# Altium PCB Ixora.PcbDoc (part 12 of 13)
Units mm, origin at the board's own origin, x right, y up, seen from the top; angles counter-clockwise.
Board outline 125 x 90 mm, 6 copper layers (Top Layer, GND, Mid-Layer 1, Mid-Layer 2, POWER, Bottom Layer), stack 1.561 mm thick; 454 components, 512 nets, 2071 pads, 863 vias.
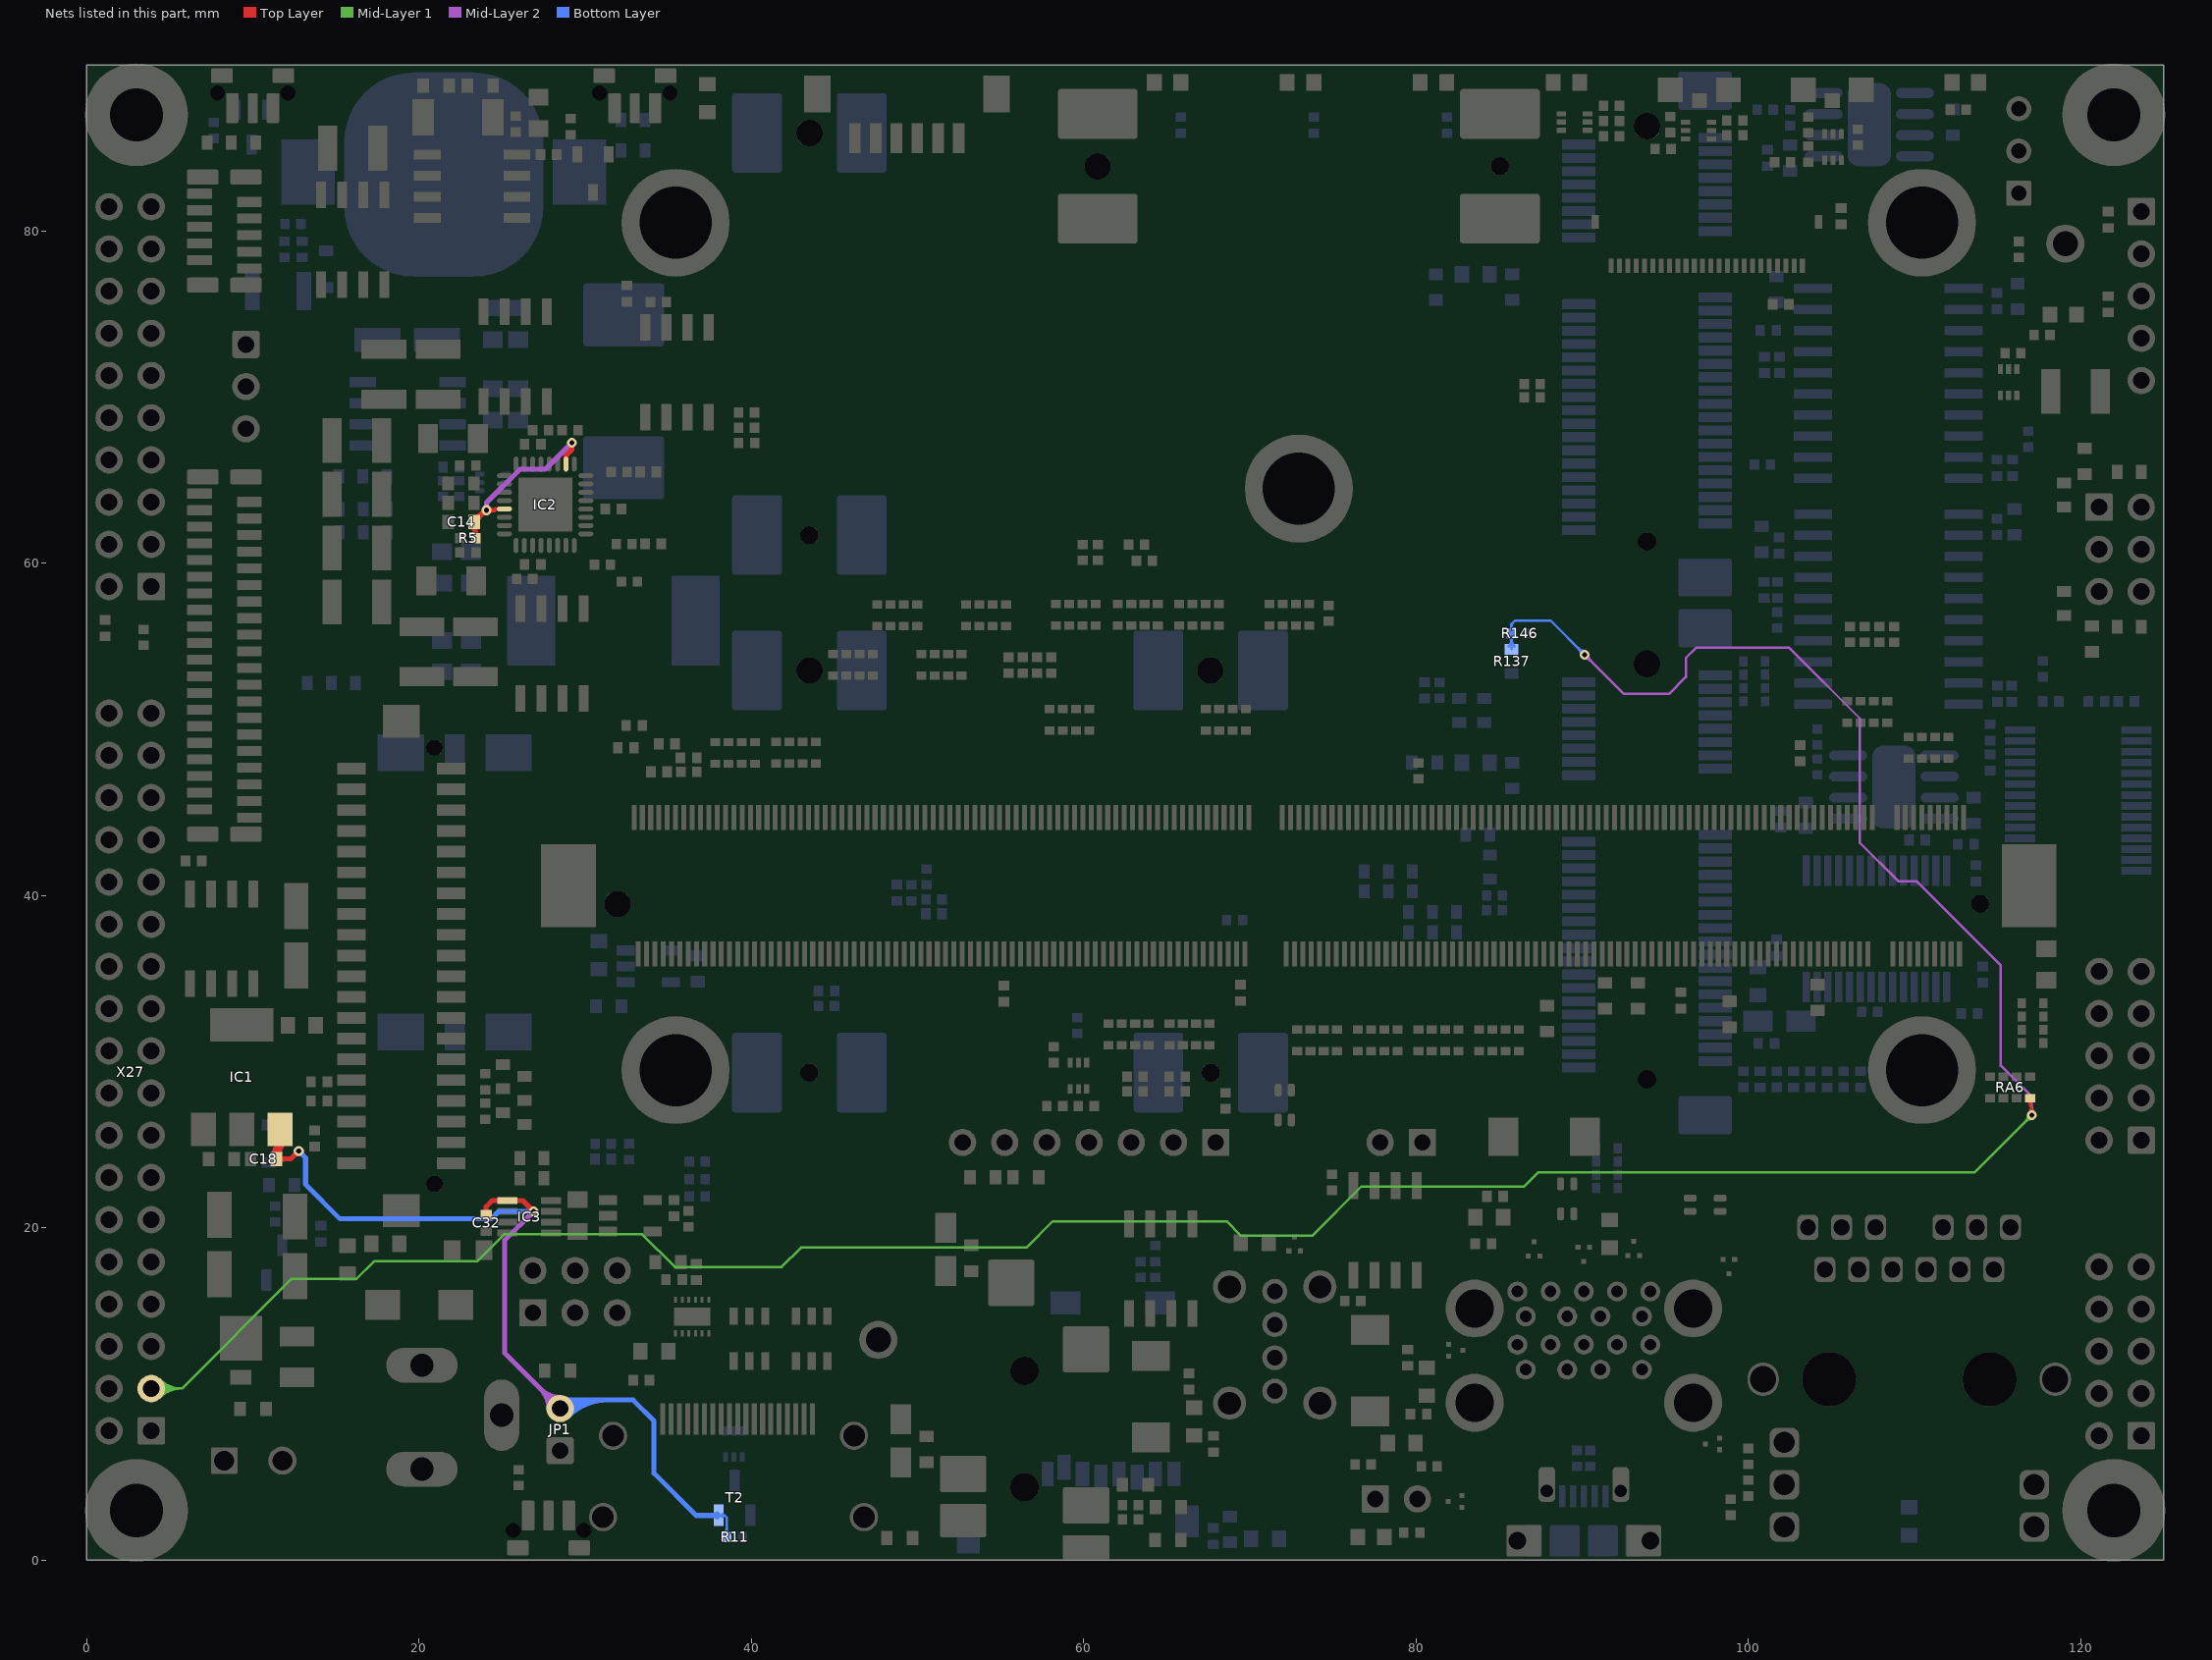
[diagram p16: the nets of this part, all layers, seen from the top]

## Via types
v1: diameter 0.6, hole 0.3, Top Layer to Bottom Layer, tented both sides, 852 vias
v2: diameter 0.6, hole 0.3, Top Layer to Bottom Layer, 11 vias

## Nets (pads, with @x,y where several pads share a name; then routed paths per layer and width w, separated by ;. In a path a pad name is that pad's centre, name@x,y a point inside that pad or via, vN(x,y) a via of type N, cw(c..) or ccw(c..) an arc to the next point about the centre after c; other vN are vias at no path point) (continued)
VREG5: C14.2 IC2.10 IC2.21 R5.2 | length 18.9
  Top Layer w0.25: C14.2@23.325,62.5 C14.2@23.325,62.55 ; C14.2@23.4,62.652 23.748,63 ; C14.2@23.543,62.518 cw(c24.345,62.306) v1@23.93,63.025 ; C14.2@23.559,62.811 cw(c24.076,62.294) v1@24.076,63.025 ; 23.706,62.958 cw(c23.325,63.338) C14.2@23.325,62.8 ; 23.711,62.963 ccw(c24.098,62.575) C14.2@23.55,62.575 ; v1@24,63.043 ccw(c23.904,62.844) 23.748,63 ; v1@24.001,63.042 ccw(c23.908,62.848) 23.756,63 ; v1@24.2,63.076 cw(c24.498,62.778) 24.498,63.2 cw(c24.498,63.623) v1@24.2,63.324 ; IC2.21@25.15,63.275 24.625,63.275 24.55,63.2 v1(24.076,63.2) 23.956,63.2 23.756,63 ; C14.2@23.325,62.8 ccw(c23.325,63.358) 23.72,62.964 cw(c23.325,63.358) C14.2@23.325,62.8 ; C14.2@23.55,62.575 cw(c24.078,62.575) 23.705,62.949 ccw(c24.078,62.575) C14.2@23.55,62.575 ; 23.748,63 23.756,63
  Top Layer w0.3: C14.2@23.184,62.284 cw(c22.661,61.761) R5.2@23.4,61.761 ; R5.2@23.4,61.415 C14.2@23.4,62.652 ; 23.4,61.923 ccw(c23.828,61.923) R5.2@23.525,61.62 ; IC2.10@28.85,65.975 28.85,66.493 29.21,66.853 v1(29.21,67.259)
  Mid-Layer 2 w0.3: v1@23.97,63.306 ccw(c23.714,63.562) 24.076,63.562 ccw(c24.438,63.562) v1@24.182,63.306 ; v1(24.076,63.2) 24.076,63.649 26.086,65.659 27.61,65.659 v1(29.21,67.259) ; v1@29.06,67.259 cw(c28.698,67.259) 28.954,67.003 cw(c29.21,66.747) v1@29.21,67.109
VSTB: C18.2 C32.2 IC1.3 IC3.1 JP1.2 R11.2 T2.2 | length 76.3
  Top Layer w0.3: C18.2@11.525,24.15 12.284,24.15 v1(12.771,24.637) ; C18.2@11.566,24.009 cw(c11.908,23.667) 11.908,24.15 cw(c11.908,24.633) C18.2@11.566,24.291 ; v1@12.621,24.637 cw(c12.258,24.637) 12.515,24.381 cw(c12.771,24.124) v1@12.771,24.487 ; C32.2@23.951,20.889 ccw(c23.712,21.128) 24.05,21.128 ccw(c24.388,21.128) C32.2@24.149,20.889 ; C32.2@24.05,20.79 24.05,21.28 24.415,21.645 IC3.1@25.335,21.645 26.255,21.645 v1(26.9,21) ; v1@26.75,21 ccw(c26.388,21) 26.644,21.256 ccw(c26.9,21.512) v1@26.9,21.15
  Top Layer w0.5: C18.2@11.354,24.296 ccw(c10.942,24.708) 11.525,24.708 ; C18.2@11.502,24.289 cw(c11.804,24.543) 11.525,24.821 ; C18.2@11.517,24.265 cw(c12.079,24.509) IC1.3@11.646,24.942 ; C18.2@11.525,24.15 11.525,24.821 ; IC1.3@11.646,25.924 IC1.3@11.646,24.942 ; 11.525,24.821 IC1.3@11.646,24.942
  Mid-Layer 2 w0.3: v1(26.9,21) 25.171,19.271 25.171,12.469 JP1.2@28.5,9.14 ; 27.348,10.292 ccw(c28.5,11.445) 28.5,9.815 cw(c28.5,11.445) 27.348,10.292 ; 27.348,10.292 cw(c26.195,9.14) 27.825,9.14 ccw(c26.195,9.14) 27.348,10.292 ; 27.86,9.78 ccw(c28.5,10.42) 28.5,9.515 cw(c28.5,10.42) 27.86,9.78 ; 27.86,9.78 cw(c27.22,9.14) 28.125,9.14 ccw(c27.22,9.14) 27.86,9.78
  Bottom Layer w0.15: T2.2@38.05,2.703 38.4,2.703 ; T2.2@38.255,2.609 cw(c38.4,2.543) 38.4,2.703 ; T2.2@38.255,2.796 ccw(c38.4,2.862) 38.4,2.703 ; R11.2@38.372,1.576 ccw(c38.013,1.934) 38.52,1.934 ccw(c39.027,1.934) R11.2@38.669,1.576 ; R11.2@38.52,1.403 38.52,2.583 38.4,2.703
  Bottom Layer w0.3: v1@12.771,24.487 cw(c12.771,24.124) 13.027,24.381 cw(c13.283,24.637) v1@12.921,24.637 ; v1(12.771,24.637) 13.183,24.225 13.183,22.622 15.255,20.55 24.36,20.55 24.81,21 v1(26.9,21) ; v1@26.794,20.894 ccw(c26.538,20.638) 26.538,21 ccw(c26.538,21.362) v1@26.794,21.106 ; JP1.2@28.341,9.299 cw(c29.188,8.452) 29.188,9.65 ; JP1.2@28.5,9.14 29.01,9.65 32.889,9.65 34.15,8.389 34.15,5.24 36.687,2.703 T2.2@38.05,2.703 ; JP1.2@28.553,9.087 cw(c29.912,7.728) 29.912,9.65 ; JP1.2@28.765,8.875 cw(c30.637,7.003) 30.637,9.65 ; JP1.2@28.977,8.663 cw(c31.361,6.279) 31.361,9.65 ; T2.2@37.944,2.596 ccw(c37.688,2.34) 37.688,2.703 ccw(c37.688,3.065) T2.2@37.944,2.809
WAKE1_MICO#: R137.1 R146.1 RA6.5 X27.3 | length 193.4
  Top Layer w0.15: RA6.5@116.828,27.677 cw(c116.529,27.378) 116.952,27.378 cw(c117.374,27.378) RA6.5@117.075,27.677 ; v1@116.916,26.965 ccw(c116.701,27.244) 117.053,27.244 ; RA6.5@116.952,27.801 116.952,27.346 117.053,27.244 ; v1(117.053,26.787) 117.053,27.244 ; v1@117.19,26.965 cw(c117.405,27.244) 117.053,27.244
  Mid-Layer 2 w0.15: v1@90.15,54.278 cw(c90.15,53.735) 90.534,54.119 cw(c90.918,54.503) v1@90.375,54.503 ; v1(90.15,54.503) 92.507,52.146 95.225,52.146 96.241,53.162 96.241,54.305 96.86,54.925 102.453,54.925 106.705,50.673 106.705,43.18 109.017,40.869 110.109,40.869 115.189,35.789 115.189,29.769 117.053,27.905 v1(117.053,26.787) ; v1@116.894,26.946 ccw(c116.51,27.33) 117.053,27.33 ccw(c117.596,27.33) v1@117.212,26.946
  Mid-Layer 1 w0.15: X27.3@3.9,10.34 5.746,10.34 12.348,16.942 16.256,16.942 17.314,18 23.499,18 25.122,19.624 33.437,19.624 35.408,17.653 41.834,17.653 43.002,18.821 56.566,18.821 58.144,20.4 68.602,20.4 69.469,19.533 73.762,19.533 76.724,22.495 86.503,22.495 87.369,23.361 113.627,23.361 v1(117.053,26.787) ; X27.3@4.218,10.022 cw(c4.986,9.254) 4.986,10.34 cw(c4.986,11.426) X27.3@4.218,10.658 ; X27.3@4.324,9.916 cw(c5.349,8.891) 5.349,10.34 cw(c5.349,11.789) X27.3@4.324,10.764 ; X27.3@4.43,9.81 cw(c5.711,8.529) 5.711,10.34 cw(c5.711,12.151) X27.3@4.43,10.87 ; v1@116.828,26.787 cw(c116.285,26.787) 116.669,26.403 cw(c117.053,26.019) v1@117.053,26.562
  Bottom Layer w0.15: R137.1@85.573,55.002 ccw(c85.146,55.429) 85.75,55.429 ccw(c86.354,55.429) R137.1@85.927,55.002 ; R146.1@85.598,55.605 cw(c85.23,55.237) 85.75,55.237 ; R146.1@85.746,55.778 85.746,56.34 85.956,56.55 88.103,56.55 v1(90.15,54.503) ; R137.1@85.75,54.825 R146.1@85.75,55.775 ; 85.75,55.256 cw(c86.244,55.256) R146.1@85.895,55.605 ; v1@89.925,54.503 ccw(c89.382,54.503) 89.766,54.887 ccw(c90.15,55.271) v1@90.15,54.728
pads on no net: D13.5 D15.5 IC6.5 IC6.6 IC8.4 IC10.2 IC10.14 IC11.2 IC11.14 IC12.5 IC12.6 IC12.17 IC12.18 IC12.20 IC12.21 IC13.20 IC13.21 IC16.1 IC16.4 IC16.5 IC17.1 IC17.4 IC17.5 MECH1. MECH2. RA18.1 RA18.5 RA29.1 RA29.5 SW1.10 SW1.11 SW2.10 SW2.11 SW3.10 SW3.11 T3.3 T3.4 T3.5 T7.3 T7.4 T7.5 T15.3 T15.4 T15.5 X1. X1.59 X1.61 X1.65 X1.67 X1.71 X1.73 X1.77 X1.79 X1.83 X1.85 X1.87 X1.89 X1.91 X1.95 X1.97 X1.99 X1.101 X1.103 X1.107 X1.109 X1.113 X1.115 X1.119 X1.121 X1.123 X1.125 X1.127 X1.131 X1.133 X1.148 X1.158 X1.184 X1.190 X1.194 X1.196 X1.198 X1.200 X1.202 X1.204 X1.208 X1.210 X1.212 X1.214 X1.216 X1.251 X1.253 X1.269 X1.271 X1.287 X1.289 X1.BE1 X1.BE2 X2.3 X6.3 X9. X11.X X12.X X15. X16. X17.14 X19. X21.2 X21.8 X21.10 X22.10 X23. X23.1 X23.3 X23.5 X23.7 X23.8 X23.10 X23.11 X23.12 X23.13 X23.14 X23.16 X23.17 X23.19 X23.20 X23.22 X23.36 X23.38 X23.42 X23.43 X23.44 X23.45 X23.46 X23.47 X23.51 X23.x X24. X25. X25.3 X25.5 X25.7 X25.17 X25.19 X25.45 X25.47 X25.49 X25.51 X25.x X28.

## Polygon pours and split planes (outlines as drawn)
AVCC on Mid-Layer 2 "Top Layer- AVCC" (solid, pour order 71): 41.275,34.112 42.799,32.588 42.799,28.854 43.256,28.397 43.256,22.073 43.028,21.844 42.189,21.844 40.361,23.673 40.361,33.96 40.513,34.112
PWR_IN on Mid-Layer 2 "Mid-Layer 2- PWR_IN" (solid, remove dead copper, pour order 62): 21 vertices, not listed, extent 9.652,2.108 23.393,13.894
NetIC2_23 on Mid-Layer 2 "Mid-Layer 2 - NetIC2_23" (solid, remove dead copper, pour order 65): 31.725,54.254 31.725,58.8 29.591,60.935 22.149,60.935 21.869,60.655 21.869,56.261 22.2,55.931 27.935,55.931 29.591,54.254
V_SUPPLY_FILT on Mid-Layer 2 "Mid-Layer 2 - V_SUPPLY_FILT" (solid, remove dead copper, pour order 68): 48 vertices, not listed, extent 6.502,22.077 25.835,72.187
AGND on Mid-Layer 2 "Mid-Layer 2 - AGND" (solid, remove dead copper, pour order 64): 37.465,35.916 37.998,36.449 37.998,47.117 37.617,47.498 34.9,47.498 29.058,41.656 29.058,36.297 29.439,35.916
3.3V_SW on Mid-Layer 2 "Mid-Layer 2 - 3.3V_SW" (solid, remove dead copper, pour order 70): 54 vertices, not listed, extent 0,6.553 123.952,89.535
3.3V_PCIE1 on Mid-Layer 2 "Mid-Layer 2 - 3.3V_PCIE1" (solid, remove dead copper, pour order 66): 86.182,36.503 87.15,35.569 94.807,35.569 95.451,34.925 96.825,34.925 97.053,35.154 97.053,37.389 94.361,40.081 94.361,48.412 89.433,53.34 86.97,53.34 86.182,52.553
3.3V on Mid-Layer 2 "Mid-Layer 2 - 3.3V" (solid, remove dead copper, pour order 67): 45 vertices, not listed, extent 85.623,22.403 111.658,40.665
5V_SW on Mid-Layer 2 "Mid-layer 2 - 5V_SW" (solid, remove dead copper, pour order 69): 120 vertices, not listed, extent 14.224,9.195 106.756,76.225
3.3V on Mid-Layer 2 "Mid-Layer 2 - 3.3V" (solid, remove dead copper, pour order 63): 44.526,85.598 31.42,85.598 31.013,85.192 27.864,85.192 27.457,85.598 19.837,85.598 19.456,85.217 19.456,73.812 19.71,73.558 44.907,73.558 45.364,74.016 45.364,84.76
GND on Top Layer "Top Layer -GND ALL" (solid, remove dead copper, pour order 237): 0,18.847 121.691,18.847 122.428,18.11 122.428,16.662 122.631,16.459 124.282,16.459 124.536,16.713 124.536,86.4 23.724,86.41 23.724,88.189 6.553,88.189 6.553,86.411 0,86.4
CAN1_GND_ISO on Top Layer "Top Layer - CAN1_GND_ISO" (solid, remove dead copper, pour order 230): 117.323,68.275 117.246,68.25 117.196,68.199 117.17,68.123 117.17,62.865 117.196,62.789 117.246,62.738 117.323,62.713 123.977,62.713 123.977,68.123 123.952,68.199 123.901,68.25 123.825,68.275
CAN2_GND_ISO on Top Layer "Top Layer - CAN2_GND_ISO" (solid, remove dead copper, pour order 231): 123.977,53.569 123.977,58.979 117.297,58.979 117.221,58.953 117.17,58.903 117.145,58.826 117.145,53.569 117.17,53.492 117.221,53.442 117.297,53.416 123.825,53.416 123.901,53.442 123.952,53.492
NetIC2_23 on Top Layer "Top layer- NetIC2_23 - 1" (solid, remove dead copper, pour order 226): 17 vertices, not listed, extent 29.235,54.712 31.598,58.953
NetC33_1 on Top Layer "Top layer - NetC33_1" (solid, remove dead copper, pour order 227): 62 vertices, not listed, extent 26.289,50.317 37.211,58.826
GND on Top Layer "Top layer - GND (DCDC)" (solid, remove dead copper, pour order 234): 16.942,71.222 16.281,70.561 16.281,55.855 17.602,54.534 25.451,54.534 25.447,61.798 22.428,61.798 22.428,64.999 22.098,64.999 22.098,68.859 23.038,68.859 23.038,71.222
V_SUPPLY_FILT_SW on Top Layer "Top Layer - V_SUPPLY_FILT_SW" (solid, remove dead copper, pour order 224): 5.182,37.821 5.207,37.744 5.258,37.694 5.334,37.668 13.85,37.668 13.843,41.808 8.052,41.808 7.95,41.783 7.849,41.681 7.696,41.656 5.334,41.656 5.258,41.631 5.207,41.58 5.182,41.504
GND on Top Layer "Top Layer - GND (INPUT)" (solid, remove dead copper, pour order 222): 21 vertices, not listed, extent 5.182,19.177 11.049,22.682
3.3V on Top Layer "Top Layer - 3.3V (MXM-4)" (solid, remove dead copper, pour order 229): 27 vertices, not listed, extent 110.744,35.763 118.999,39.04
V_FAN_UNREG on Top Layer "Top Layer- V_FAN_UNREG" (solid, pour order 218): 13.284,80.645 18.796,80.645 18.796,83.033 18.415,83.414 15.951,83.414 15.773,83.591 15.773,86.995 15.443,87.325 13.64,87.325 13.284,86.97
NetIC2_23 on Top Layer "Top layer - NetIC2_23 -2" (solid, remove dead copper, pour order 228): 24.892,57.353 24.892,60.604 24.689,60.808 22.835,60.808 22.835,60.223 22.022,60.223 21.895,60.096 21.895,57.404 22.073,57.226 24.765,57.226
AGND on Top Layer "Top layer -AGND" (solid, remove dead copper, pour order 235): 31 vertices, not listed, extent 48.412,0.457 66.693,26.721
PWR_IN on Top Layer "Top Layer - PWR_IN" (solid, remove dead copper, pour order 219): 35 vertices, not listed, extent 10.363,4.699 23.8,13.894
GND_IN on Top Layer "Top Layer- GND_IN" (solid, pour order 217): 17 vertices, not listed, extent 19.202,14.199 23.419,16.815
NetD1_1 on Top Layer "Top Layer - NETD1_1" (solid, remove dead copper, pour order 221): 42 vertices, not listed, extent 8.026,12.014 18.999,18.745
GND_IN on Top Layer "Top Layer - GND_IN" (solid, remove dead copper, pour order 220): 54 vertices, not listed, extent 5.182,2.642 23.8,19.05
3.3V on Top Layer "Top layer - 3.3V" (solid, remove dead copper, pour order 236): 99.441,34.265 98.908,34.798 98.501,34.798 97.485,33.782 97.485,29.032 97.587,28.931 98.019,28.931 98.349,29.261 98.349,31.699 99.365,31.699 99.441,31.775
NetIC2_18 on Top Layer "Top Layer - NetIC2_18" (solid, remove dead copper, pour order 232): 25 vertices, not listed, extent 22.174,65.329 24.562,70.688
V_SUPPLY_FILT on Top Layer "Top Layer - V_SUPPLY_FILT" (solid, remove dead copper, pour order 223): 51 vertices, not listed, extent 5.182,18.898 15.545,37.541
NetC19_1 on Top Layer "Top Layer - NetC19_1" (solid, remove dead copper, pour order 233): 29 vertices, not listed, extent 23.165,68.504 29.845,77.546
V_SUPPLY_FILT on Top Layer "Top layer - V_SUPPLY_FILT (DCDC)" (solid, remove dead copper, pour order 225): 39 vertices, not listed, extent 11.633,48.743 28.55,78.918
3.3V on Bottom Layer "Bottom Layer - 3.3V (DCDC)" (solid, remove dead copper, pour order 196): 26 vertices, not listed, extent 19.329,63.144 35.687,77.064
NetC19_1 on Bottom Layer "Bottom Layer - NetC19_1" (solid, remove dead copper, pour order 193): 26 vertices, not listed, extent 28.626,69.748 35.687,77.749
AGND on Bottom Layer "Bottom Layer - AGND" (solid, remove dead copper, pour order 203): 64 vertices, not listed, extent 29.312,15.875 50.775,38.913
V_SUPPLY_FILT on Bottom Layer "Bottom Layer- V_SUPPLY_FILT" (solid, remove dead copper, pour order 192): 14.173,65.1 13.081,65.1 12.776,65.405 12.776,74.117 11.481,75.413 11.481,78.994 14.199,78.994 15.215,77.978 15.215,76.124 14.376,75.286 14.376,65.303
3.3V_SW on Bottom Layer "Bottom Layer - 3.3V (DCDC)" (solid, remove dead copper, pour order 199): 14.58,66.235 19.235,66.235 19.228,75.997 15.316,75.997 14.58,75.26
1.5V_PCIE1 on Bottom Layer "Bottom Layer-1.5V_PCIE1" (solid, remove dead copper, pour order 211): 27 vertices, not listed, extent 88.8,30.937 107.366,51.562
NetC33_1 on Bottom Layer "Bottom Layer - NetC33_1" (solid, remove dead copper, pour order 201): 21 vertices, not listed, extent 33.68,52.045 38.735,60.325
ETH1_CTREF_ALL on Bottom Layer "Bottom Layer - ETH1_CTREF_ALL" (solid, remove dead copper, pour order 198): 102.184,35.052 99.136,35.052 99.136,28.854 106.324,28.854 106.324,31.725 102.184,31.725
GND on Bottom Layer "Bottom Layer - GND (DCDC)" (solid, remove dead copper, pour order 195): 17.856,54.5 24.605,54.5 24.605,59.7 17.856,59.7
CAN2_GND_ISO on Bottom Layer "Bottom Layer - CAN2_GND_ISO" (solid, remove dead copper, pour order 206): 110.025,63.621 110.025,50.754 116.237,50.749 117.145,51.66 117.145,52.146 124.5,52.146 124.5,58.805 117.958,58.8 117.958,61.874 117.958,63.602 117.958,63.621
CAN1_GND_ISO on Bottom Layer "Bottom Layer - CAN1_GND_ISO" (solid, remove dead copper, pour order 207): 110.025,77.7 110.025,64.465 119.495,64.465 119.495,62.56 124.5,62.56 124.5,69.942 119.495,69.942 119.495,77.7
3.3V_SW on Bottom Layer "Bottom Layer - 3.3V_SW (SATA LDO)" (solid, remove dead copper, pour order 213): 113.95,84.912 113.95,86.817 111.684,86.817 111.684,87.782 108.65,87.782 108.65,84.912
3.3V_PCIE1 on Bottom Layer "Bottom Layer - 3.3V_PCIE1" (solid, remove dead copper, pour order 204): 83.693,48.95 83.693,47 87.875,47 87.875,48.95
3.3V_SW on Bottom Layer "Bottom Layer - 3.3V_SW (PCIE1)" (solid, remove dead copper, pour order 212): 80.315,49.428 80.315,47 83.591,47 83.591,49.428
3.3V_SW on Bottom Layer "Bottom Layer- 3.3V_SW (SATA)" (solid, remove dead copper, pour order 214): 80.213,78.765 80.213,76.45 83.594,76.45 83.594,78.765
GND on Bottom Layer "Bottom layer - GND (DCDC)" (solid, remove dead copper, pour order 194): 27.01,74.38 23.45,74.38 23.45,69.58 27.01,69.58
SHIELD1 on Bottom Layer "Bottom Layer- SHIELD (ETH)" (solid, remove dead copper, pour order 202): 118.75,14.35 99.263,14.35 99.263,10.439 108.306,10.439 108.509,10.236 108.509,2.438 110.846,2.438 110.846,10.236 111.049,10.439 118.75,10.439
3.3V_PCIE1 on Bottom Layer "Bottom Layer - 3.3V_PCIE1" (solid, remove dead copper, pour order 197): 95.352,35.89 95.25,35.789 95.25,33.807 95.352,33.706 96.723,33.706 96.825,33.807 96.825,35.789 96.723,35.89
3.3V_SW on Bottom Layer "Bottom Layer - 3.3V_SW (PCIE1 LDO)" (solid, remove dead copper, pour order 210): 114.732,45.237 114.732,46.609 114.427,46.914 113.54,46.914 113.081,47.373 113.081,47.727 112.928,47.879 110.16,47.879 110.16,45.1 112.598,45.1 112.751,44.983 114.478,44.983
GND on Bottom Layer "Bottom Layer - GND (CAN)" (solid, remove dead copper, pour order 208): 99.275,79.223 99.275,49.8 106.121,49.8 106.121,79.223
PWR_IN on Bottom Layer "Bottom Layer - PWR_IN" (solid, remove dead copper, pour order 190): 37 vertices, not listed, extent 10.338,4.699 23.419,14.148
GND_IN on Bottom Layer "Bottom Layer - GND_IN" (solid, remove dead copper, pour order 191): 61 vertices, not listed, extent 6.604,1.88 23.368,17.196
GND on Bottom Layer "Bottom Layer - GND ALL" (solid, remove dead copper, pour order 215): 20 vertices, not listed, extent 0.051,16.764 125,87.351
1.5V_MSATA1 on Bottom Layer "Bottom Layer - 1.5V_MSATA1" (solid, remove dead copper, pour order 205): 25 vertices, not listed, extent 91.725,63.3 106.35,86.919
3.3V_MSATA1 on Bottom Layer "Bottom Layer - 3.3V_MSATA1" (solid, remove dead copper, pour order 209): 21 vertices, not listed, extent 83.642,60.249 96.825,85.496
5V_SW on Bottom Layer "Bottom Layer - 5V_SW" (solid, remove dead copper, pour order 200): 17.17,50.521 32.283,50.521 32.283,62.408 18.593,62.408 18.593,59.812 24.587,59.812 24.587,54.356 17.399,54.356 17.069,54.229 16.891,54.051 16.764,53.702 16.764,50.927
GND_IN on Mid-Layer 1 "Mid-Layer 1- GND_IN" (solid, remove dead copper, pour order 61): 31 vertices, not listed, extent 6.858,2.108 23.393,16.256
3.3V on Mid-Layer 1 "Mid-Layer 1- +3.3V" (solid, remove dead copper, pour order 60): 38 vertices, not listed, extent 39.624,27.483 123.673,83.998
CAN1_GND_ISO on GND (split plane): 124.49,64.135 123.393,64.135 123.393,62.352 118.763,62.352 118.763,67.112 120.099,68.448 124.49,68.448
no net on GND (split plane): 124.49,83.902 120.67,83.902 118.902,85.67 118.902,89.49 124.49,89.49
no net on GND (split plane): 124.49,0.51 118.902,0.51 118.902,4.33 120.67,6.098 124.49,6.098
CAN2_GND_ISO on GND (split plane): 123.393,57.556 124.49,57.556 124.49,53.535 120.671,53.535 118.763,55.443 118.763,59.337 123.393,59.337
AGND on GND (split plane): 39 vertices, not listed, extent 33.095,37.083 46.749,43.334
no net on GND (split plane): 5.801,85.373 4.645,84.217 0.51,84.217 0.51,89.49 5.801,89.49
GND on GND (split plane): 570 vertices, not listed, extent 0.51,0.51 124.49,89.49
no net on GND (split plane): 6.098,4.33 6.098,0.51 0.51,0.51 0.51,6.098 4.33,6.098
no net on POWER (split plane): 38 vertices, not listed, extent 111.219,62.103 124.49,76.969
no net on POWER (split plane): 40 vertices, not listed, extent 111.219,51.552 124.49,63.498
no net on POWER (split plane): 124.49,83.937 120.885,83.937 118.902,85.92 118.902,89.49 124.49,89.49
no net on POWER (split plane): 124.49,0.51 118.902,0.51 118.902,4.33 120.67,6.098 124.49,6.098
no net on POWER (split plane): 51.332,22.797
AGND on POWER (split plane): 44 vertices, not listed, extent 42.645,15.848 58.599,43.384
3.3V_SW on POWER (split plane): 146 vertices, not listed, extent 0.51,0.51 77.924,38.181
no net on POWER (split plane): 6.098,85.67 4.619,84.191 0.51,84.191 0.51,89.49 6.098,89.49
GND on POWER (split plane): 590 vertices, not listed, extent 0.51,0.51 124.49,89.49
3.3V_SW on POWER (split plane): 6.098,4.33 6.098,0.51 0.51,0.51 0.51,6.098 4.33,6.098

## Keep-outs
Keep-Out Layer:
  lines w0.1: 0.3,0.3 0.3,89.7 7.214,89.7 7.214,90 12.856,90 12.856,89.7 30.074,89.7 30.074,90 36.464,90 36.464,89.7 124.7,89.7 124.7,51.499 124.943,51.256 124.943,37.287 124.7,37.045 124.7,0.3 95.05,0.3 95.05,0 85.188,0 85.188,0.3 61.824,0.3 61.824,-0.127 58.556,-0.127 58.556,0.3 53.975,0.3 53.975,0 52.116,0 52.116,0.3 30.693,0.3 30.693,0 25.05,0 25.05,0.3 0.3,0.3

## Other copper
Top Layer:
  rectangle net GND: 16.408,83.515 18.644,83.82
  rectangle net V_FAN_UNREG: 13.767,81.026 14.148,81.89
  rectangle net V_FAN_UNREG: 13.614,81.585 14.046,82.017
  rectangle net GND: 116.789,34.417 117.678,34.747
  rectangle net NetIC2_18: 22.885,65.354 23.927,65.456
  rectangle net V_SUPPLY_FILT: 27.38,51.629 27.94,52.129
  rectangle net V_SUPPLY_FILT: 14.525,55.922 15.037,68.9
  rectangle net V_SUPPLY_FILT: 26.19,74.066 26.69,76.149
  rectangle net V_SUPPLY_FILT: 25.933,74.9 26.89,75.4
  rectangle net V_SUPPLY_FILT: 17.954,72.65 21.455,73.049
  rectangle net NetIC2_18: 22.936,65.735 23.865,66.025
  rectangle net V_SUPPLY_FILT: 27.459,74.058 27.959,76.141
  rectangle net GND: 21.275,61.9 21.656,62.35
  rectangle net V_SUPPLY_FILT_SW: 12.376,37.719 12.929,40.91
  rectangle net V_SUPPLY_FILT: 12.37,34.279 12.852,37.44
  pour cut-out: 80.543,48.26 80.543,48.717 81.001,48.717
  pour cut-out: 10.185,24.917 10.185,23.625 8.509,23.625 8.509,24.917
  pour cut-out: 75.844,73 75.844,72.365 75.514,72.034 75.26,72.034 75.26,71.958 75.921,71.958 75.921,73
  pour cut-out: 65.527,71.369 65.994,71.836 66.066,71.944 66.12,72.07 66.142,72.212 66.142,72.771 66.218,72.771 66.218,71.958 65.581,71.315
  pour cut-out: 59.767,66.496 60.427,66.496 60.554,66.522 60.681,66.573 60.808,66.649 61.189,67.03 61.24,66.979 60.681,66.42 59.767,66.42
  pour cut-out: 21.438,83.261 24.918,83.261 25.019,83.16 25.019,82.956 24.765,83.083 21.438,83.083
  pour cut-out: 26.808,81.718 26.808,80.99 26.63,81.167 26.63,81.718
  pour cut-out: 26.808,83.115 27.9,83.115 28.078,82.937 26.808,82.937
  pour cut-out: 10.668,82.652 10.922,82.398 10.49,82.398 10.49,85.344 10.668,85.344
  pour cut-out: 117.45,27.432 117.45,25.552 117.526,25.552 117.526,27.33 117.577,27.381 117.958,27.381 117.958,27.432
  pour cut-out: 108.509,49.987 109.068,49.987 109.245,49.809 109.322,49.809 109.322,50.089 108.509,50.089
  pour cut-out: 116.789,72.238 116.789,73.203 116.916,73.33 117.602,73.33 117.881,73.05 117.881,72.187 118.364,72.187 118.364,73.533 116.561,73.533 116.561,72.238
  pour cut-out: 101.93,83.312 101.803,83.109 101.803,82.804 101.93,82.499 101.676,82.753 101.676,83.312
  pour cut-out: 43.739,64.16 44.298,64.16 44.298,63.983 43.739,63.983
  pour cut-out: 44.298,64.16 45.166,64.877 45.292,64.751 44.499,63.959
  pour cut-out: 45.466,65.001 46.63,65.001 46.63,64.823 45.466,64.823
  pour cut-out: 38.933,64.924 42.774,64.924 42.774,64.746 38.933,64.746
  pour cut-out: 25.505,59.46 25.505,59.866 25.683,59.866 25.683,59.46
  pour cut-out: 34.155,62.23 34.155,61.24 33.977,61.24 33.977,62.23
  pour cut-out: 34.255,59.973 33.35,59.973 33.35,60.151 34.255,60.151
  pour cut-out: 33.515,58.515 33.785,58.245 33.706,58.166 33.436,58.436
  pour cut-out: 13.818,33.782 13.818,35.204 14.046,35.204 14.046,33.782
  pour cut-out: 13.794,37.694 13.794,38.675 13.997,38.675 13.997,37.694
  pour cut-out: 13.54,41.625 13.54,41.885 13.743,41.885 13.743,41.625
  pour cut-out: 48.391,11.131 49.311,10.211 49.167,10.067 48.248,10.987
  pour cut-out: 10.719,79.629 10.719,76.378 10.541,76.2 4.978,76.2 4.978,66.421 5.182,66.218 5.766,66.218 5.766,65.989 5.029,65.989 4.801,66.218 4.775,79.629
  pour cut-out: 22.855,60.249 22.804,60.249 22.804,60.223 22.855,60.223
  pour cut-out: 24.841,66.248 25.476,66.248 25.476,65.507 24.841,65.507
  pour cut-out: 11,88.403 11,89.8 9,89.8 9,88.403
  pour cut-out: 34,88.403 34,89.8 32,89.8 32,88.403
  pour cut-out: 26.803,1.697 26.803,0.3 28.803,0.3 28.803,1.697
  pour cut-out: 33.592,43.15 48.285,43.15 48.285,37.925 33.592,37.925
  pour cut-out: 96.95,43.914 114.665,43.917 115.646,43.117 115.646,38.405 114.148,38.405 113.487,39.04 110.719,39.05 110.719,38.385 106.303,38.385 96.95,38.385
  pour cut-out: 47.081,19.575 42.947,19.607 54.635,31.358 54.178,26.673 51.994,24.486 52.705,22.987 50.495,22.987
  pour cut-out: 125,51.968 124.003,51.968 124.003,68.301 117.145,68.301 117.145,62.687 123.977,62.687 123.977,59.004 117.145,59.004 117.145,53.391 123.977,53.391 123.977,51.968 113.97,51.968 113.978,67.168 114.935,68.125 114.935,69.831 125,69.831
  pour cut-out: 48.844,2.6 48.844,0.381 48.641,0.381 48.641,2.6
  pour cut-out: 63.902,3.737 63.902,2.688 63.66,2.688 63.66,3.737
  pour cut-out: 66.7,2.108 66.7,0.432 65.126,0.432 65.253,0.508 65.303,0.559 65.329,0.635 65.329,1.803 65.346,1.871 65.439,1.964 65.507,1.981 66.548,1.981 66.624,2.007 66.675,2.057
  pour cut-out: 61.026,4.503 61.968,4.503 61.968,4.412 61.026,4.412
  pour cut-out: 60.851,2.195 61.973,2.195 61.973,2.095 60.851,2.095
  pour cut-out: 62.72,4.069 62.72,3.665 62.497,3.665 62.497,4.069
  pour cut-out: 80.264,62.535 81.763,62.535 81.94,62.357 81.94,60.122 81.712,59.893 80.315,59.893 80.086,60.122 80.086,62.357
  pour cut-out: 82.844,62.535 84.342,62.535 84.52,62.357 84.52,60.122 84.292,59.893 82.895,59.893 82.666,60.122 82.666,62.357
  pour cut-out: 85.449,62.535 86.948,62.535 87.125,62.357 87.125,60.122 86.897,59.893 85.5,59.893 85.271,60.122 85.271,62.357
  pour cut-out: 69.875,43.891 70.053,43.764 70.18,43.586 70.206,43.409 70.155,43.205 70.307,43.358 70.307,43.942 69.875,43.942
  pour cut-out: 118.788,33.629 119.396,33.022 119.396,32.451 118.72,31.775 118.669,31.775 118.669,33.62
  pour cut-out: 28.626,77.318 28.626,77.572 28.88,77.572
  pour cut-out: 83.528,55.029 87.198,58.699 87.084,58.814 83.414,55.143 83.185,54.61 83.185,54.305 83.566,54.305 83.414,54.458 83.414,54.737
  pour cut-out: 87.967,59.861 90.862,62.757 90.748,62.871 87.852,59.976
  pour cut-out: 12.979,81.356 13.208,81.585 13.513,81.585 13.741,81.356 13.741,80.213 12.979,80.975
  pour cut-out: 10.465,85.852 10.744,85.852 10.973,85.801 11.125,85.7 11.125,85.623 10.465,85.623
  pour cut-out: 79.858,45.644 79.858,45.517 98.425,45.517 98.425,45.644
  pour cut-out: 23.057,70.656 23.057,70.815 23.216,70.815
  pour cut-out: 23.114,71.12 22.863,71.371 23.114,71.623
  pour cut-out: 22.066,66.472 22.168,66.472 22.168,65.346 22.066,65.346
Mid-Layer 2:
  rectangle net 3.3V_SW: 123.4,79.908 123.9,81.16
  pour cut-out: 91.491,32.461 91.491,31.699 92.278,31.699 92.278,32.461
  pour cut-out: 30.09,66.517 29.389,67.218 29.587,67.415 30.287,66.715
  pour cut-out: 75.95,10.75 75.95,9.35 79.85,9.35 79.85,10.75
  pour cut-out: 80.086,62.535 80.391,62.687 80.493,62.535 86.944,62.535 87.3,62.179 87.3,60.096 87.097,59.893 80.315,59.893 80.086,60.122
  pour cut-out: 65.149,57.504 63.082,59.572 63.153,59.572 65.185,57.54
  pour cut-out: 28.219,67.667 29.21,67.667 29.21,67.388 28.219,67.388
  pour cut-out: 17.653,22.677 17.653,22.022 16.99,22.022
  pour cut-out: 13.518,72.212 14.173,72.212 14.173,71.55
  pour cut-out: 28.397,73.355 29.642,73.355 29.642,73.457 29.616,73.431 28.397,73.431
  pour cut-out: 3.158,8.729 0.457,8.729 0.457,8.687 3.158,8.687
  pour cut-out: 14.453,29.21 13.487,29.21 13.233,29.464 13.233,29.87 13.538,30.378 14.554,30.353 14.783,29.82 14.783,29.616
  pour cut-out: 37.363,39.217 37.033,38.887 37.033,38.43 37.313,38.151 38.049,38.151 38.049,39.221
  pour cut-out: 8.433,89.611 8.433,88.29 8.357,88.29 8.357,89.611
  pour cut-out: 90.932,43.282 90.932,42.393 90.983,42.342 91.211,42.57 91.694,42.57 91.694,43.282
  pour cut-out: 0.457,51.867 1.219,51.867 1.219,8.729 0.457,8.729
  pour cut-out: 1.27,60.249 0.432,60.249 0.432,83.922 1.27,83.922
Mid-Layer 1:
  pour cut-out: 82.844,62.535 84.342,62.535 84.52,62.357 84.52,60.122 84.292,59.893 82.895,59.893 82.666,60.122 82.666,62.357
  pour cut-out: 80.264,62.535 81.763,62.535 81.94,62.357 81.94,60.122 81.712,59.893 80.315,59.893 80.086,60.122 80.086,62.357
  pour cut-out: 85.449,62.535 86.948,62.535 87.125,62.357 87.125,60.122 86.897,59.893 85.5,59.893 85.271,60.122 85.271,62.357
Bottom Layer:
  rectangle net V_SUPPLY_FILT: 11.765,77.944 12.068,78.874
  rectangle net V_SUPPLY_FILT: 12.829,77.97 13.132,78.9
  region net 5V_SW: 23.893,53.137 23.893,53.823 20.498,53.823 20.498,53.137
  rectangle net 5V_SW: 21.07,52.71 21.755,54.31
  rectangle net 5V_SW: 22.806,52.71 23.491,54.31
  rectangle net GND: 22.806,54.61 23.491,56.21
  rectangle net GND: 21.07,54.61 21.755,56.21
  region net GND: 20.549,55.698 20.549,55.012 23.979,55.012 23.979,55.698
  region net GND: 20.643,59.13 20.643,58.445 23.952,58.445 23.952,59.13
  region net GND: 23.466,59.557 22.781,59.557 22.781,58.039 23.466,58.039
  region net GND: 21.73,59.557 21.045,59.557 21.045,57.957 21.73,57.957
  region net 5V_SW: 21.73,61.457 21.045,61.457 21.045,59.857 21.73,59.857
  region net 5V_SW: 23.466,61.457 22.781,61.457 22.781,59.857 23.466,59.857
  region net 5V_SW: 23.927,60.37 23.927,61.055 20.557,61.055 20.557,60.37
  region net 3.3V: 26.797,68.28 26.797,68.965 23.61,68.965 23.61,68.28
  rectangle net 3.3V: 25.645,67.853 26.33,69.453
  rectangle net 3.3V: 24.123,67.853 24.809,69.453
  rectangle net 3.3V: 25.603,74.613 26.289,76.213
  rectangle net 3.3V: 24.124,74.613 24.809,76.213
  region net 3.3V: 23.697,75.7 23.697,75.015 26.848,75.015 26.848,75.7
  region net GND: 23.697,73.8 23.697,73.115 26.822,73.115 26.822,73.8
  region net GND: 24.784,74.227 24.099,74.227 24.099,72.627 24.784,72.627
  region net GND: 26.306,74.227 25.62,74.227 25.62,72.627 26.306,72.627
  region net GND: 26.34,71.317 25.654,71.317 25.654,69.717 26.34,69.717
  region net GND: 24.79,71.272 24.105,71.272 24.105,69.672 24.79,69.672
  region net GND: 26.822,70.146 26.822,70.832 23.557,70.832 23.557,70.146
  rectangle net 3.3V_SW: 16.256,66.446 16.942,71.801
  rectangle net 3.3V: 21.656,67.666 22.342,71.801
  rectangle net 3.3V_SW: 17.146,72.263 17.832,74.346
  region net 3.3V_SW: 19.204,73.086 19.204,73.772 15.851,73.772 15.851,73.086
  region net 3.3V: 22.784,73.086 22.784,73.772 19.431,73.772 19.431,73.086
  rectangle net 3.3V: 20.726,72.263 21.412,74.346
  region net VCC_BATT: 13.746,81.523 13.746,81.777 13.111,81.777 13.111,81.523
  rectangle net 1.5V_MSATA1: 101,84.379 101.3,84.89
  region net VCC_BATT: 30.721,81.558 30.721,81.812 30.086,81.812 30.086,81.558
  rectangle net 1.5V_MSATA1: 101,84.85 101.3,84.938
  region net 5V_SW: 28.499,56.118 28.499,56.982 25.044,56.982 25.044,56.118
  region net 5V_SW: 27.182,59.525 26.318,59.525 26.318,53.529 27.182,53.529
  region net NetC19_1: 35.154,74.526 35.154,75.39 29.382,75.39 29.382,74.526
  region net NetC19_1: 32.757,77.316 31.894,77.316 31.894,72.775 32.757,72.775
  region net 3.3V: 32.757,68.351 31.894,68.351 31.894,63.575 32.757,63.575
  region net 3.3V: 35.128,64.846 35.128,66.624 29.458,66.624 29.458,64.846
  rectangle net CAN1_GND_ISO: 114.478,65.024 116.484,65.481
  rectangle net CAN1_GND_ISO: 111.531,64.901 114.351,65.359
  region net CAN1_GND_ISO: 113.179,64.592 113.179,65.6 112.721,65.6 112.721,64.592
  region net CAN2_GND_ISO: 113.184,62.432 113.184,63.44 112.726,63.44 112.726,62.432
  rectangle net CAN2_GND_ISO: 111.536,62.741 114.356,63.199
  region net CAN2_GND_ISO: 113.184,51.002 113.184,52.01 112.726,52.01 112.726,51.002
  rectangle net CAN2_GND_ISO: 111.536,51.311 114.356,51.769
  rectangle net CAN2_GND_ISO: 114.52,51.424 116.527,51.881
  rectangle net 1.5V_PCIE1: 101.8,44.577 102.1,45.09
  rectangle net GND: 105.232,57.887 106.121,71.425
  rectangle net GND: 123.342,17.805 123.952,19.634
  rectangle net GND: 11.659,44.044 12.522,47.346
  rectangle net GND: 94.107,67.716 95.91,68.224
  rectangle net 1.5V_MSATA1: 105.689,85.166 105.867,86.258
  rectangle net 3.3V_SW: 108.712,85.141 108.941,87.605
  rectangle net GND: 99.822,72.06 100.152,74.676
  rectangle net GND: 99.822,68.504 100.203,70.993
  rectangle net GND: 101.346,61.112 101.397,61.468
  rectangle net 1.5V_PCIE1: 107.188,45.06 107.356,46.736
  rectangle net 3.3V_SW: 110.169,45.1 110.388,47.879
  pour cut-out: 35.789,77.14 35.712,77.14 35.712,72.336 35.789,72.336
  pour cut-out: 39.014,31.852 36.601,31.852 36.601,26.848 39.014,26.848
  pour cut-out: 67.31,42.113 67.31,40.538 68.072,39.776 68.072,40.107 67.513,40.665 67.513,42.113
  pour cut-out: 25.685,65.072 25.685,62.662 25.457,62.662 25.457,65.072
  pour cut-out: 43.485,47.701 43.205,47.422 43.205,47.092 43.104,47.092 43.104,47.752 43.485,47.752
  pour cut-out: 51.664,47.701 51.816,47.549 51.816,47.295 51.918,47.295 51.918,47.752 51.664,47.752
  pour cut-out: 35.792,69.266 35.716,69.266 35.716,63.382 35.792,63.382
  pour cut-out: 9.432,75.128 9.432,75.204 8.458,75.204 8.458,75.128
  pour cut-out: 3.9,31.593 3.9,31.517 5.309,31.517 5.309,31.593
  pour cut-out: 4.833,50.98 4.757,50.98 4.757,35.74 4.833,35.74
  pour cut-out: 119.355,70.663 119.659,70.663 119.837,70.485 119.837,70.206 119.659,70.028 119.35,70.028 119.177,70.201 119.177,70.485
  pour cut-out: 121.361,72.187 124.612,72.187 124.612,71.958 121.361,71.958
  pour cut-out: 57.683,82.625 73.083,82.625 73.083,77.4 57.683,77.4
  pour cut-out: 107.34,79.4 121.488,79.4 121.488,72.084 119.507,72.084 119.507,77.698 110.007,77.698 110.007,50.749 107.34,50.749
  pour cut-out: 115.773,70.841 115.672,70.841 115.672,69.597 115.773,69.597
  pour cut-out: 80.264,62.535 81.763,62.535 81.94,62.357 81.94,60.122 81.712,59.893 80.315,59.893 80.086,60.122 80.086,62.357
  pour cut-out: 82.844,62.535 84.342,62.535 84.52,62.357 84.52,60.122 84.292,59.893 82.895,59.893 82.666,60.122 82.666,62.357
  pour cut-out: 85.449,62.535 86.948,62.535 87.125,62.357 87.125,60.122 86.897,59.893 85.5,59.893 85.271,60.122 85.271,62.357
  pour cut-out: 101.143,55.042 101.651,55.042 101.651,55.55 101.498,55.397 101.371,55.321 101.168,55.321 100.94,55.397 101.143,55.194
  pour cut-out: 95.695,57.071 95.695,58.138 95.873,58.138 95.873,57.071
  pour cut-out: 92.267,22 90.754,22 90.754,22.178 92.267,22.178
  pour cut-out: 51.435,24.217 55.26,24.217 55.194,24.282 51.435,24.282 51.13,23.978 51.13,23.876
  pour cut-out: 8.255,62.662 8.128,62.789 7.518,62.789 7.315,62.662 7.315,62.713 7.595,62.992 8.255,62.992
  pour cut-out: 4.572,51.435 5.563,52.426 6.096,52.426 6.096,52.73 5.664,52.73 4.556,51.624
  pour cut-out: 11.608,61.544 12.522,62.459 12.573,62.408 12.573,61.544
  pour cut-out: 17.704,62.128 17.043,62.128 17.043,62.23 17.704,62.23
  pour cut-out: 12.588,62.938 13.962,64.313 14.122,64.313 14.122,63.322 13.335,63.322 12.954,62.941 12.929,62.941
  pour cut-out: 11.49,35.105 11.49,35.258 10.855,35.258 10.855,35.105
  pour cut-out: 11.811,73.889 11.963,74.041 12.548,74.041 12.725,73.863 12.725,74.066 12.598,74.193 11.811,74.193
  pour cut-out: 11.028,59.7 11.028,48.184 10.926,48.184 10.926,59.7
  pour cut-out: 14.808,54.077 16.84,54.077 16.84,54.026 14.808,54.026
  pour cut-out: 15.035,86.411 15.035,84.349 14.933,84.349 14.933,86.411
  pour cut-out: 119.456,64.465 119.939,64.465 119.939,64.389 119.456,64.389
  pour cut-out: 45.491,64.973 46.634,64.973 46.634,64.922 45.491,64.922
  pour cut-out: 118.085,57.76 118.085,57.099 117.958,56.972 117.958,57.76
  pour cut-out: 121.615,48.641 121.615,48.133 121.514,48.133 121.514,48.743
  pour cut-out: 96.164,25.552 94.818,25.552 94.818,25.629 96.164,25.629
  pour cut-out: 61.468,22.301 62.23,22.301 62.23,22.2 62.205,22.225 61.544,22.225
  pour cut-out: 55.55,21.057 56.744,21.057 56.744,21.031 55.55,21.031
  pour cut-out: 36.855,23.597 36.855,23.292 36.779,23.292 36.779,23.591
  pour cut-out: 15.03,81.5 15.03,79.204 15.088,79.146 14.903,79.146 14.903,81.5
  pour cut-out: 17.062,77.172 28.423,77.172 28.524,77.26 28.524,77.013 28.423,77.114 16.993,77.114 14.884,79.223 15.011,79.223
  pour cut-out: 48.362,40.03 47.523,40.03 46.634,40.919 46.634,41.885 46.431,41.885 46.431,40.792 47.371,39.853 48.362,39.853
  pour cut-out: 26.467,29.972 26.264,29.972 26.264,27.635 26.467,27.635
  pour cut-out: 62.713,33.909 62.713,32.715 62.382,32.385 62.865,32.385 62.865,33.909
  pour cut-out: 94.412,72.847 94.412,70.333 94.539,70.333 94.539,72.847
  pour cut-out: 85.42,63.119 80.747,63.119 80.747,62.84 85.42,62.84
  pour cut-out: 39.624,46.406 43.307,42.723 44.196,42.723 44.196,42.875 43.332,42.875 39.751,46.457 39.751,46.965 39.878,47.092 39.624,47.092
  pour cut-out: 44.259,42.735 45.263,41.732 46.177,41.732 46.177,41.961 45.212,41.961 44.348,42.824
  pour cut-out: 12.967,46.177 12.967,41.986 13.094,41.986 13.094,46.177
  pour cut-out: 106.959,32.664 107.569,32.664 107.569,32.588 106.959,32.588
  pour cut-out: 105.105,70.104 105.105,68.859 105.117,68.847 104.724,68.847 104.724,70.002 104.826,70.104
  pour cut-out: 102.387,49.53 103.911,49.53 103.911,49.352 102.387,49.352
  pour cut-out: 101.346,57.658 102.16,57.658 102.16,57.277 101.346,57.277
  pour cut-out: 105.149,56.796 105.149,55.296 104.972,55.296 104.972,56.796
  pour cut-out: 7.95,47.6 9.068,47.6 9.068,47.422 7.95,47.422
  pour cut-out: 95.987,30.455 95.987,28.753 96.139,28.6 95.809,28.6 95.804,30.455
  pour cut-out: 115.418,50.673 115.418,49.559 115.316,49.559 115.316,50.673
  pour cut-out: 88.646,66.455 88.646,62.264 88.773,62.264 88.773,66.455
  pour cut-out: 88.689,75.26 88.689,73.736 88.816,73.736 88.816,75.26
  pour cut-out: 88.689,84.023 88.689,79.336 88.816,79.336 88.816,84.023
  pour cut-out: 90.911,79.35 90.911,83.192 90.784,83.192 90.784,79.35
  pour cut-out: 90.911,72.746 90.911,75.26 90.784,75.26 90.784,72.746
  pour cut-out: 99.111,63.551 99.111,67.691 99.06,67.691 99.06,63.551
  pour cut-out: 96.889,32.868 96.889,29.786 97.016,29.786 97.016,32.868
  pour cut-out: 33.528,63.068 33.528,62.433 34.29,62.433 34.29,63.068
  text "Ixora Rev. 1.1" at 72.183,77.75 h2.5
GND (plane layer: these items are gaps in the copper):
  pour cut-out: 44.036,53.338 43.425,52.727 44.108,52.044 44.719,52.655
  pour cut-out: 36.562,47.041 36.562,46.177 37.528,46.177 37.528,47.041
  pour cut-out: 13.609,30.29 14.021,29.54 14.681,29.947 14.473,30.29 14.473,31.255 13.609,31.255
  pour cut-out: 14.173,25.654 14.173,24.689 14.224,24.74 15.011,24.74 15.011,25.654
  pour cut-out: 46.279,41.275 46.279,40.386 46.838,40.386 46.9,40.448 46.9,41.275
  pour cut-out: 72.619,35.56 71.958,34.9 71.958,34.767 71.857,34.665 71.857,33.604 72.771,32.69 72.977,32.69 74.371,34.084 74.371,34.364 73.175,35.56
  pour cut-out: 95.259,70.364 96.138,70.364 96.138,69.574 95.259,69.574
  pour cut-out: 95.259,73.564 96.138,73.564 96.138,72.774 95.259,72.774
  pour cut-out: 101.339,47.109 101.339,47.988 102.129,47.988 102.129,47.109
  pour cut-out: 101.869,40.984 101.869,41.863 102.659,41.863 102.659,40.984
  pour cut-out: 95.169,40.349 95.169,41.228 95.959,41.228 95.959,40.349
  pour cut-out: 95.749,34.859 95.749,35.738 96.539,35.738 96.539,34.859
  pour cut-out: 91.489,25.361 91.489,26.241 92.279,26.241 92.279,25.361
  pour cut-out: 82.972,38.806 83.851,38.806 83.851,38.016 82.972,38.016
  pour cut-out: 75.403,39.451 76.283,39.451 76.283,38.661 75.403,38.661
  pour cut-out: 75.606,41.251 76.485,41.251 76.485,40.461 75.606,40.461
  pour cut-out: 81.737,43.688 81.737,42.824 81.001,42.824 80.518,42.342 80.061,42.342 79.35,43.053 79.35,43.409 79.629,43.688
  pour cut-out: 74.01,29.152 74.89,29.152 74.89,28.362 74.01,28.362
  pour cut-out: 37.465,39.116 37.465,38.252 38.43,38.252 38.43,39.116
  pour cut-out: 38.965,38.461 38.965,37.597 39.93,37.597 39.93,38.461
  pour cut-out: 40.465,39.116 40.465,38.252 41.43,38.252 41.43,39.116
  pour cut-out: 41.965,38.461 41.965,37.597 42.93,37.597 42.93,38.461
  pour cut-out: 43.465,39.116 43.465,38.252 44.43,38.252 44.43,39.116
  pour cut-out: 80.564,60.842 80.564,59.979 81.529,59.979 81.529,60.842
  pour cut-out: 80.539,62.41 80.539,61.547 81.504,61.547 81.504,62.41
  pour cut-out: 83.119,60.868 83.119,60.004 84.084,60.004 84.084,60.868
  pour cut-out: 83.119,62.41 83.119,61.547 84.084,61.547 84.084,62.41
  pour cut-out: 85.724,62.41 85.724,61.547 86.689,61.547 86.689,62.41
  pour cut-out: 85.724,60.868 85.724,60.004 86.689,60.004 86.689,60.868
  pour cut-out: 87.859,69.915 88.723,69.915 88.723,70.88 87.859,70.88
  pour cut-out: 13.843,45.288 14.707,45.288 14.707,46.253 13.843,46.253
  pour cut-out: 13.609,41.54 14.473,41.54 14.473,42.505 13.609,42.505
  pour cut-out: 13.868,37.77 14.732,37.77 14.732,38.735 13.868,38.735
  pour cut-out: 13.868,34.036 14.732,34.036 14.732,35.001 13.868,35.001
  pour cut-out: 13.513,23.266 15.291,23.266 15.291,22.733 14.681,22.123 14.097,22.123 13.513,22.708
  pour cut-out: 14.046,87.173 14.046,86.309 15.062,86.309 15.062,87.173
  pour cut-out: 11.328,62.84 11.882,63.505 11.201,64.059 10.643,63.398
  pour cut-out: 5.65,54.768 5.65,55.632 4.902,55.632 4.902,54.768
  pour cut-out: 8.255,47.505 7.645,46.895 8.433,46.33 8.89,47.066
  pour cut-out: 0.356,8.611 0.356,7.391 1.372,7.391 1.372,8.611
  pour cut-out: 123.393,59.665 123.393,57.556 124.612,57.556 124.612,59.665
  pour cut-out: 123.393,64.135 123.393,62.154 124.536,62.154 124.536,64.135
  pour cut-out: 123.65,81.94 123.65,80.391 124.536,80.391 124.536,81.94
  pour cut-out: 123.65,76.86 123.65,75.286 124.587,75.286 124.587,76.86
  pour cut-out: 123.65,71.787 123.65,70.213 124.587,70.213 124.587,71.787
  pour cut-out: 123.64,33.687 123.64,32.113 124.577,32.113 124.577,33.687
  pour cut-out: 123.64,31.147 123.64,29.573 124.577,29.573 124.577,31.147
  pour cut-out: 123.64,28.607 123.64,27.033 124.577,27.033 124.577,28.607
  pour cut-out: 123.64,26.067 123.64,24.493 124.577,24.493 124.577,26.067
  pour cut-out: 123.64,15.907 123.64,14.333 124.577,14.333 124.577,15.907
  pour cut-out: 123.64,13.367 123.64,11.793 124.577,11.793 124.577,13.367
  pour cut-out: 123.64,10.827 123.64,9.253 124.577,9.253 124.577,10.827
  pour cut-out: 123.64,8.287 123.64,6.713 124.577,6.713 124.577,8.287
  pour cut-out: 1.36,12.093 1.36,13.667 0.423,13.667 0.423,12.093
  pour cut-out: 1.36,14.633 1.36,16.207 0.423,16.207 0.423,14.633
  pour cut-out: 1.36,17.173 1.36,18.747 0.423,18.747 0.423,17.173
  pour cut-out: 1.36,19.713 1.36,21.287 0.423,21.287 0.423,19.713
  pour cut-out: 1.36,22.253 1.36,23.827 0.423,23.827 0.423,22.253
  pour cut-out: 1.36,24.793 1.36,26.367 0.423,26.367 0.423,24.793
  pour cut-out: 1.36,27.333 1.36,28.907 0.423,28.907 0.423,27.333
  pour cut-out: 1.36,29.873 1.36,31.447 0.423,31.447 0.423,29.873
  pour cut-out: 1.36,32.413 1.36,33.987 0.423,33.987 0.423,32.413
  pour cut-out: 1.36,34.953 1.36,36.527 0.423,36.527 0.423,34.953
  pour cut-out: 1.36,37.493 1.36,39.067 0.423,39.067 0.423,37.493
  pour cut-out: 1.36,40.033 1.36,41.607 0.423,41.607 0.423,40.033
  pour cut-out: 1.36,42.573 1.36,44.147 0.423,44.147 0.423,42.573
  pour cut-out: 1.36,47.653 1.36,49.227 0.423,49.227 0.423,47.653
  pour cut-out: 1.36,50.193 1.36,51.767 0.423,51.767 0.423,50.193
  pour cut-out: 1.36,57.813 1.36,59.387 0.423,59.387 0.423,57.813
  pour cut-out: 1.36,60.353 1.36,61.927 0.423,61.927 0.423,60.353
  pour cut-out: 1.36,62.893 1.36,64.467 0.423,64.467 0.423,62.893
  pour cut-out: 1.36,65.433 1.36,67.007 0.423,67.007 0.423,65.433
  pour cut-out: 1.36,67.973 1.36,69.547 0.423,69.547 0.423,67.973
  pour cut-out: 1.36,70.513 1.36,72.087 0.423,72.087 0.423,70.513
  pour cut-out: 1.36,73.053 1.36,74.627 0.423,74.627 0.423,73.053
  pour cut-out: 1.36,75.593 1.36,77.167 0.423,77.167 0.423,75.593
  pour cut-out: 1.36,78.133 1.36,79.707 0.423,79.707 0.423,78.133
  pour cut-out: 34.239,39.04 35.331,39.903 35.172,41.062 33.606,39.524
  pour cut-out: 1.36,9.553 1.36,11.127 0.423,11.127 0.423,9.553
  pour cut-out: 71.5,15.403 71.5,16.977 70.333,16.977 70.333,15.403
  pour cut-out: 74.221,8.714 74.221,10.77 68.78,10.77 68.78,8.713
  lines w0.3: 32.944,36.932 36.297,36.932 36.728,37.363 36.728,39.145 37.133,39.55 44.651,39.55 45.669,38.532 46.9,38.532 46.9,42.762 46.177,43.485 41.986,43.485 39.878,41.377 37.44,41.377 35.509,41.377 32.944,38.811 32.944,36.932
  lines w1.2: 118.161,59.812 118.161,59.888 118.161,61.75 124.9,61.75 ; 118.161,59.837 118.161,55.194 120.421,52.934 124.9,52.934 ; 118.161,59.939 124.9,59.939 ; 118.161,61.826 118.161,67.361 119.85,69.05 124.9,69.05
  lines w1.5: 0.25,6.85 4.642,6.85 6.85,4.642 6.85,0.25 ; 0.25,83.464 4.956,83.464 6.553,85.061 6.553,89.75 ; 118.15,0.25 118.15,4.642 120.358,6.85 124.75,6.85 ; 118.15,89.75 118.15,85.358 120.358,83.15 124.75,83.15
  lines w2.5: 24.884,0.749 24.885,0.75
  lines w2.6: 13.243,89.2 13.244,89.201 ; 29.707,89.199 29.708,89.2 ; 70.849,6.299 70.85,6.3 ; 36.055,89.199 36.056,89.2
  lines w3: 74.412,16.4 74.412,16.401 ; 87.875,4.175 87.876,4.176 ; 92.317,4.182 92.336,4.201 ; 119.107,60.84 124,60.84 ; 101.042,10.948 101.043,10.949
  lines w4: 31.083,2.6 31.084,2.601 ; 31.683,7.5 31.684,7.501 ; 46.8,2.6 46.801,2.601 ; 68.78,9.46 68.781,9.461 ; 68.78,16.46 68.781,16.461 ; 74.22,9.5 74.221,9.501 ; 85.999,1.51 86,1.511 ; 46.183,7.5 46.184,7.501 ; 94.111,1.544 94.112,1.545
  lines w4.5: 83.53,9.48 83.531,9.481 ; 118.469,10.899 118.47,10.9